# KiCad board board_delta.kicad_pcb (continued)
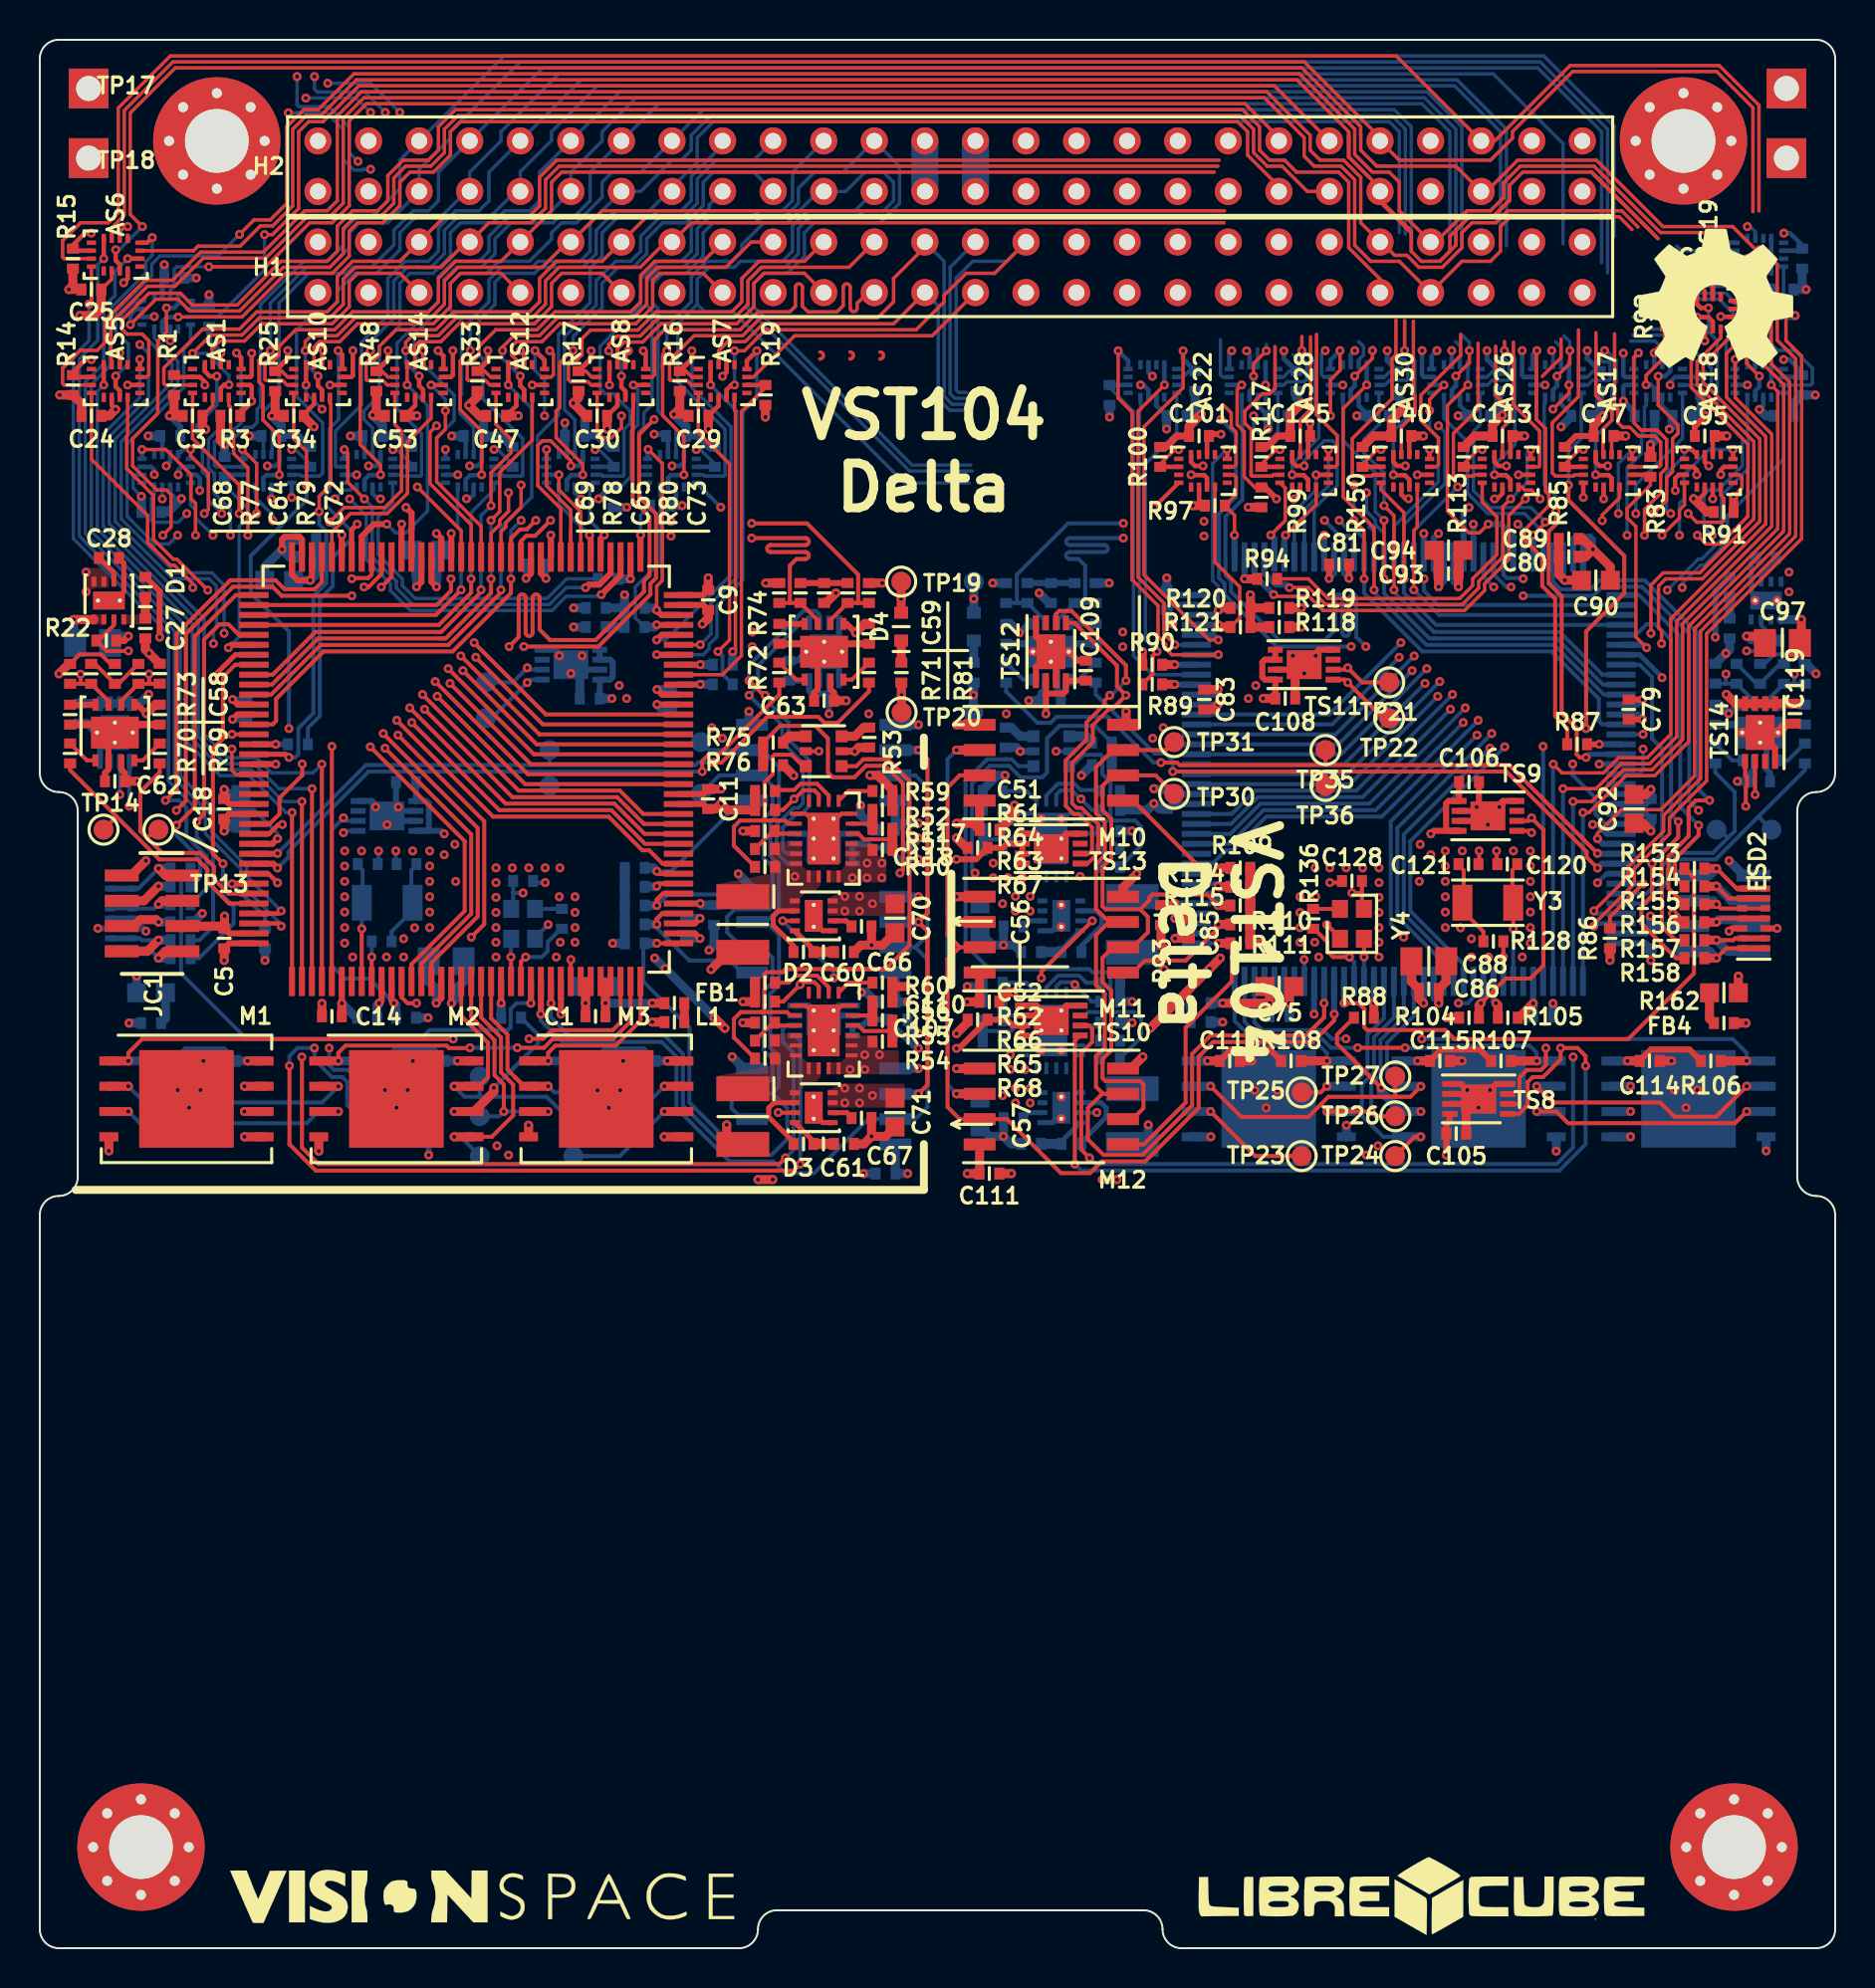
[diagram p0: board, top side]
## Copper pours and planes (outline as drawn; the poured copper is in the pictures) (continued)
SUP_5V on In3.Cu: 48.47,45.12 47.75,45.83 47.03,45.46 47.61,43.91 49.95,43.91 49.95,44.51 49.7,44.76 49.7,45.12

Small or netless copper shapes (teardrops, artwork), in the pictures only: 2 on Top, 2 on Bottom

## Text on the board
B.SilkS: v1.0 | VST104-Delta
Cmts.User: fcv
F.SilkS: VST104 / Delta
